# KiCad board pcb-rails.kicad_pcb (continued)
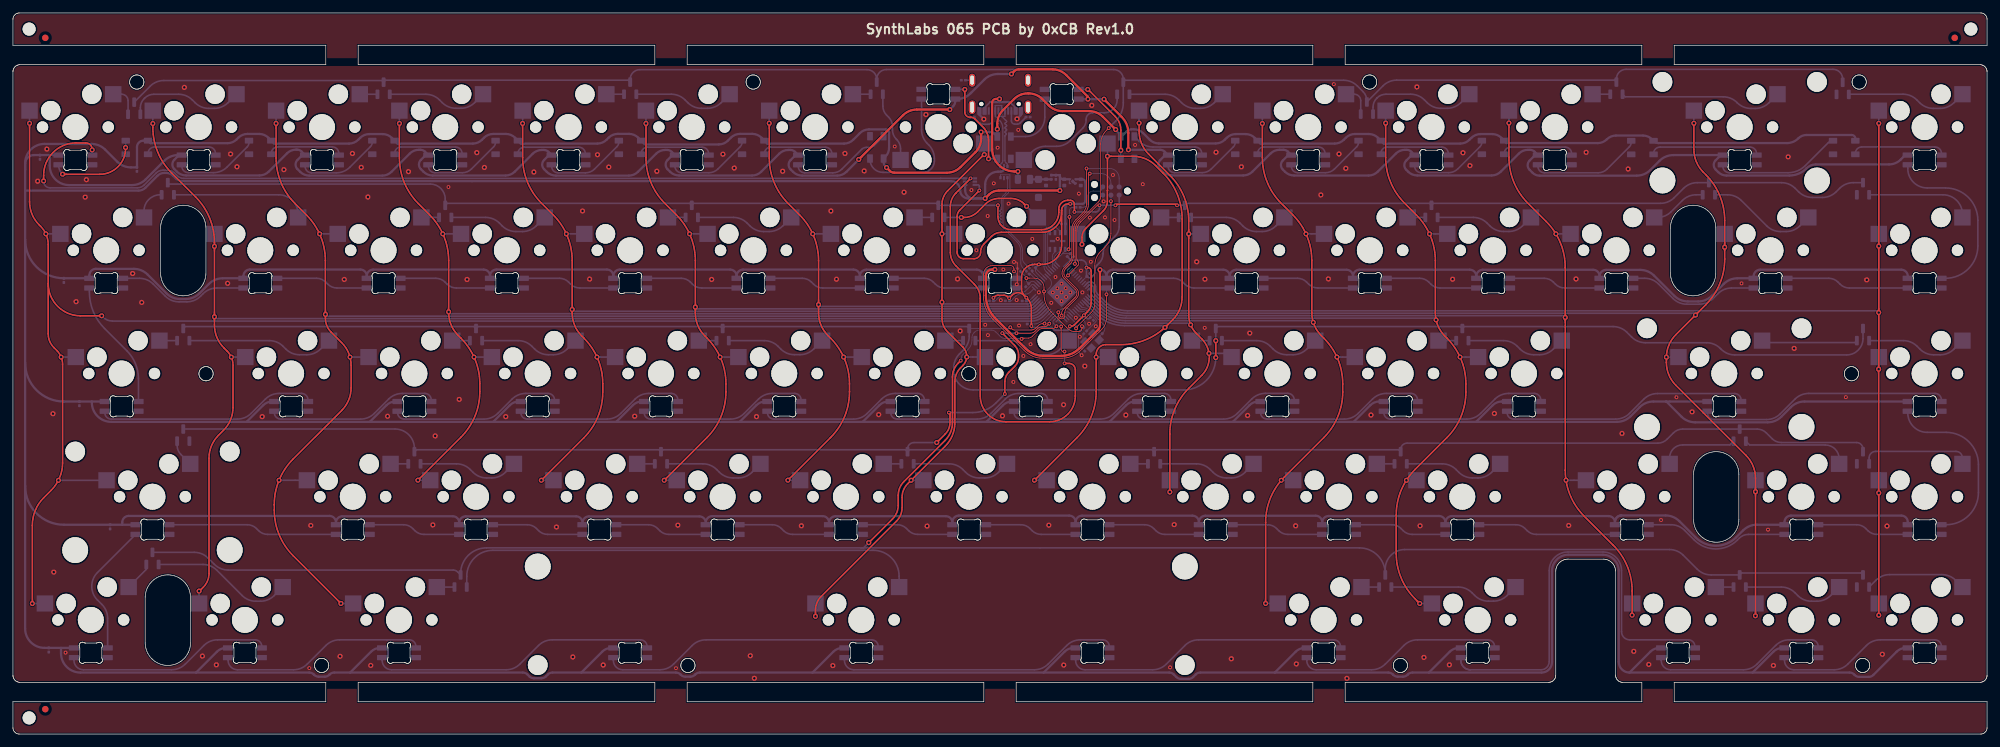
[diagram p0: board, top side]
## Routing (per net, layer and track width the routed paths; a pad name or vN(x,y) marks a point on that pad's centre or on a via; arc(x,y) is an arc through that point) (continued)
Board_0-GND: length 11.6
  Top w0.128: v1(155.12,69.54) 155.2,69.62 155.2,72.79 arc(155.14,72.94) 154.99,73 v1(154.69,73)
  Bottom w0.128: v1(165.14,58.57) 164.91,58.8 arc(164.74,59.05) 164.68,59.35 164.68,61.89 arc(164.71,62.04) 164.8,62.17 C35.2
  Bottom w0.35: v2(150.03,95.07) 149.34,95.76 J2.A1 ; U8.5 164.1,85.12 U8.2 ; J2.A12 155.74,95.7 v2(155.16,95.12)
  vias: v1(8.13,12.6) v1(45.8,10.2) v1(67.3,84.58) v1(102.46,10.19) v1(136.27,90.85) v1(148.11,84.11) v1(148.88,74.81) v1(150.24,63.28) v1(150.63,80.1) v1(150.66,61.68) v1(151.57,85.15) v1(152.16,90.66) v1(152.66,67.09) v1(153.04,71.83) v1(153.85,82.01) v1(154.59,54.44) v1(155.1,67.1) v1(155.35,93.41) v1(155.47,63.17) v1(156.13,58.46) v1(157.25,60.28) v1(157.51,76.55) v1(158.53,68.3) v1(160.45,66.68) v1(160.69,68.29) v1(161.1,70.66) v1(161.33,67.59) v1(161.44,76.57) v1(161.39,68.93) v1(162.04,69.64) v1(162.04,68.29) v1(162.04,66.94) v1(162.68,68.94) v1(162.73,67.58) v1(163.38,68.29) v1(164.25,64.38) v1(164.72,83.56) v1(164.86,61.43) v1(165.04,71.65) v1(165.26,68.29) v1(166.29,63.44) v1(166.41,79.85) v1(166.57,73.02) v1(167.33,63.05) v1(168.55,82.37) v1(168.75,79.89) v1(169.98,86.44) v1(170.23,79.48) v1(173.4,91.09) v1(174.59,85.02) v1(178.81,10.31) v1(184.16,62.81) v1(204.12,100.49) v1(254.67,33.09) v1(257.05,52.08) v1(267.11,69.68) v1(271.2,31.6) v1(283.24,52.09) v2(3.82,85.49) v2(5.25,90.45) v2(6.19,49.54) v2(6.31,25.04) v2(9.76,66.86) v2(11.17,83.02) v2(11.35,85.72) v2(18.5,71.21) v2(19.9,66.74) v2(26.49,99.99) v2(29.28,12.06) v2(31.44,10.7) v2(33.18,69.69) v2(33.64,89.69) v2(34.62,87.72) v2(38.52,49.08) v2(41.87,87.27) v2(46.03,32.25) v2(50.55,12.02) v2(51.2,70.29) v2(52.46,89.77) v2(53.83,87.62) v2(54.85,83.04) v2(55.29,10.61) v2(57.89,49.14) v2(61.12,86.96) v2(64.89,32.34) v2(65.25,46.1) v2(68.96,51.74) v2(70.18,70.29) v2(71.68,89.9) v2(72.85,87.61) v2(76.15,49.08) v2(80.5,86.9) v2(83.98,32.02) v2(86.52,11.92) v2(88.02,80.88) v2(89.11,70.35) v2(90.33,89.58) v2(91.22,10.68) v2(92.07,87.67) v2(96.08,49.14) v2(99.5,87.02) v2(102.74,32.29) v2(107.97,70.29) v2(109.71,89.66) v2(111.47,87.52) v2(113.94,12.11) v2(114.57,8.62) v2(114.9,49.08) v2(118.94,87.02) v2(121.84,32.2) v2(126.4,80.88) v2(126.7,10.59) v2(127.26,70.33) v2(128.57,89.78) v2(131.54,87.07) v2(133.78,49.39) v2(137.7,83.78) v2(141.08,95.79) v2(141.26,32.16) v2(145.97,70.37) v2(146.37,62.33) v2(152.91,49.2) v2(160.07,32.29) v2(162.35,50.92) v2(162.37,10.67) v2(165.63,56.89) v2(166.71,97.21) v2(171.97,49.33) v2(179.44,32.39) v2(182.92,73.02) v2(184.19,70.33) v2(185.91,89.95) v2(188.27,11.64) v2(189.83,87.7) v2(190.79,49.26) v2(191.12,61.99) v2(198.21,32.2) v2(198.32,10.84) v2(202.11,83.36) v2(203.27,70.37) v2(204.91,89.7) v2(205.96,87.47) v2(206.14,8.61) v2(209.85,49.33) v2(216.95,100.06) v2(217.44,32.2) v2(218.03,11.85) v2(221.97,10.7) v2(222.46,70.33) v2(224.07,89.88) v2(225.14,87.89) v2(228.92,49.57) v2(240.4,32.25) v2(241.54,70.37) v2(243.1,89.94) v2(248.64,46.49) v2(249.59,87.37) v2(250.46,12.79) v2(252.78,10.76) v2(259.47,49.82) v2(272.04,10.6) v2(274.32,89.25) v2(275.24,59.63) v2(286.46,70.23) v2(288.87,12.34) v2(289.59,32.16)
Board_0-Net-(C24-Pad2): length 2.4
  Bottom w0.128: 165.35,61.74 165.35,60.95 Y2.1 165.63,60.14 C24.2
Board_0-Net-(D1-DIN): length 14.9
  Top w0.25: v2(17.41,90.69) 17.41,90.55 arc(16.24,87.72) 13.41,86.55 7.69,86.55 v2(7.67,86.57)
  Bottom w0.25: v2(17.41,90.69) 17.41,91.73 D1.2 ; D15.2 7.05,88.02 arc(7.2,87.25) 7.64,86.6 v2(7.67,86.57)
Board_0-Net-(D1-DOUT): length 11.9
  Bottom w0.25: D1.4 20.88,89.77 arc(21.17,90.48) 21.88,90.77 30.3,90.77 arc(31.01,90.48) 31.3,89.77 31.3,89.52
Board_0-Net-(D10-DIN): length 13.5
  Bottom w0.25: D24.2 178.5,87.8 arc(178.79,87.09) 179.5,86.8 183.77,86.8 arc(184.53,86.95) 185.18,87.39 188.58,90.79 arc(188.8,91.11) 188.88,91.49 D10.2
Board_0-Net-(D10-DOUT): length 11.9
  Bottom w0.25: D25.4 202.75,89.77 arc(202.46,90.48) 201.75,90.77 193.33,90.77 arc(192.62,90.48) 192.33,89.77 D10.4
Board_0-Net-(D11-DIN): length 13.5
  Bottom w0.25: D11.2 207.93,91.5 arc(207.85,91.12) 207.63,90.8 204.21,87.38 arc(203.56,86.94) 202.8,86.79 198.55,86.79 arc(197.84,87.08) 197.55,87.79 D25.2
Board_0-Net-(D11-DOUT): length 11.9
  Bottom w0.25: D11.4 211.38,89.76 arc(211.67,90.47) 212.38,90.76 220.8,90.76 arc(221.51,90.47) 221.8,89.76 D26.4
Board_0-Net-(D12-DIN): length 13.5
  Bottom w0.25: D26.2 216.6,87.8 arc(216.89,87.09) 217.6,86.8 221.85,86.8 arc(222.61,86.95) 223.26,87.39 226.69,90.82 arc(226.91,91.14) 226.99,91.52 D12.2
Board_0-Net-(D12-DOUT): length 11.9
  Bottom w0.25: D12.4 230.44,89.76 arc(230.73,90.47) 231.44,90.76 239.85,90.76 arc(240.56,90.47) 240.85,89.76 240.85,89.52
Board_0-Net-(D13-DIN): length 17.5
  Bottom w0.25: D13.2 250.07,91.5 arc(249.99,91.12) 249.77,90.8 246.33,87.35 arc(245.7,86.93) 244.95,86.78 236.65,86.78 arc(235.94,87.07) 235.65,87.78 D27.2
Board_0-Net-(D13-DOUT): length 17.4
  Bottom w0.25: D13.4 253.52,89.76 arc(253.81,90.47) 254.52,90.76 268.42,90.76 arc(269.13,90.47) 269.42,89.76 D28.4
Board_0-Net-(D14-DIN): length 19.7
  Bottom w0.25: D14.2 281.23,91.74 arc(280.84,91.66) 280.52,91.45 276.98,87.9 arc(275.74,87.08) 274.29,86.79 265.22,86.79 arc(264.52,87.08) 264.22,87.79 D28.2
Board_0-Net-(D14-DOUT): length 14.8
  Bottom w0.25: D29.4 298,89.78 arc(297.71,90.49) 297,90.78 285.7,90.78 arc(284.99,90.49) 284.7,89.78 D14.4
Board_0-Net-(D16-DOUT): length 13.5
  Bottom w0.25: D2.2 36.48,91.47 arc(36.4,91.09) 36.18,90.77 33.1,87.68 arc(32.12,87.03) 30.97,86.8 27.1,86.8 arc(26.39,87.09) 26.1,87.8 D16.2
Board_0-Net-(D17-DIN): length 12
  Bottom w0.25: D17.4 50.35,89.79 arc(50.06,90.5) 49.35,90.79 40.93,90.79 arc(40.22,90.5) 39.93,89.79 D2.4
Board_0-Net-(D17-DOUT): length 13.5
  Bottom w0.25: D17.2 45.15,87.77 arc(45.44,87.06) 46.15,86.77 49.95,86.77 arc(51.09,87) 52.07,87.65 55.23,90.82 arc(55.45,91.14) 55.53,91.52 D3.2
Board_0-Net-(D18-DIN): length 11.9
  Bottom w0.25: D18.4 69.4,89.77 arc(69.11,90.48) 68.4,90.77 59.98,90.77 arc(59.27,90.48) 58.98,89.77 D3.4
Board_0-Net-(D18-DOUT): length 13.5
  Bottom w0.25: D18.2 64.2,87.79 arc(64.49,87.08) 65.2,86.79 69.44,86.79 arc(70.2,86.94) 70.85,87.38 74.28,90.81 arc(74.5,91.13) 74.58,91.51 D4.2
Board_0-Net-(D19-DIN): length 11.9
  Bottom w0.25: D19.4 88.45,89.74 arc(88.16,90.45) 87.45,90.74 79.03,90.74 arc(78.32,90.45) 78.03,89.74 D4.4
Board_0-Net-(D19-DOUT): length 13.5
  Bottom w0.25: D5.2 93.63,91.53 arc(93.55,91.15) 93.33,90.83 89.86,87.36 arc(89.22,86.92) 88.45,86.77 84.25,86.77 arc(83.54,87.06) 83.25,87.77 D19.2
Board_0-Net-(D20-DIN): length 11.9
  Bottom w0.25: D5.4 97.08,89.74 arc(97.37,90.45) 98.08,90.74 106.5,90.74 arc(107.21,90.45) 107.5,89.74 D20.4
Board_0-Net-(D20-DOUT): length 13.5
  Bottom w0.25: D6.2 112.67,91.51 arc(112.59,91.13) 112.37,90.81 108.94,87.38 arc(108.29,86.94) 107.53,86.79 103.3,86.79 arc(102.59,87.08) 102.3,87.79 D20.2
Board_0-Net-(D21-DIN): length 11.9
  Bottom w0.25: D6.4 116.12,89.74 arc(116.41,90.45) 117.12,90.74 125.55,90.74 arc(126.26,90.45) 126.55,89.74 D21.4
Board_0-Net-(D21-DOUT): length 16.2
  Bottom w0.25: 121.35,88.02 121.35,87.77 arc(121.64,87.06) 122.35,86.77 126.68,86.77 arc(127.45,86.92) 128.09,87.36 131.15,90.42 arc(131.48,90.63) 131.86,90.71 132.39,90.71 arc(132.78,90.79) 133.1,91 D7.2
Board_0-Net-(D22-DIN): length 22.4
  Bottom w0.25: D7.4 132.44,88.85 arc(133.02,87.43) 134.44,86.85 140.62,86.85 arc(141.87,87.36) 142.38,88.61 142.38,88.98 arc(142.16,90.13) 141.51,91.1 141.28,91.33 arc(140.63,92.3) 140.4,93.45 D22.4
Board_0-Net-(D22-DOUT): length 15.3
  Top w0.25: v2(147.09,99.67) 147.09,96.18 arc(147.33,95.6) 147.9,95.36 148.03,95.36 arc(148.38,95.29) 148.67,95.09 149.98,93.78 150.2,93.51 150.38,93.23 150.52,92.92 150.64,92.6 150.71,92.27 150.75,91.93 150.75,91.76 v2(150.75,88.94)
  Bottom w0.25: D22.2 147.08,99.68 v2(147.09,99.67) ; D8.2 150.76,88.94 v2(150.75,88.94)
Board_0-Net-(D23-DIN): length 9.8
  Bottom w0.25: D23.4 159.45,95.39 arc(158.57,93.27) 156.45,92.39 D8.4
Board_0-Net-(D23-DOUT): length 14.2
  Top w0.25: v2(171.2,90.25) 171.2,93.37 arc(170.97,94.52) 170.32,95.49 166.14,99.67 v2(166.08,99.67)
  Bottom w0.25: v2(166.08,99.67) 164.66,99.67 D23.2 ; D9.2 v2(171.2,90.25)
Board_0-Net-(D24-DIN): length 11.8
  Bottom w0.25: 183.7,89.52 183.7,89.77 arc(183.41,90.48) 182.7,90.77 176.17,90.77 arc(175.02,91) 174.05,91.65 D9.4
Board_0-Net-(D29-DOUT): length 28.4
  Bottom w0.25: D44.4 298.63,70.47 arc(302.16,71.93) 303.63,75.47 303.63,79.44 arc(302.16,82.98) 298.63,84.44 295.8,84.44 arc(293.68,85.32) 292.8,87.44 D29.2
Board_0-Net-(D30-DIN): length 20.5
  Bottom w0.25: D31.2 31.5,68.97 arc(30.36,68.74) 29.38,68.09 29,67.71 arc(28.03,67.06) 26.88,66.83 25.67,66.83 arc(24.52,67.06) 23.54,67.71 21.66,69.59 arc(20.69,70.24) 19.54,70.47 D30.4
Board_0-Net-(D30-DOUT): length 20.1
  Bottom w0.25: D45.4 19.39,54.93 arc(18.93,57.28) 17.6,59.27 14.16,62.71 arc(12.42,65.31) 11.81,68.37 D30.2
Board_0-Net-(D31-DIN): length 14.3
  Bottom w0.25: D32.2 50.08,68.97 arc(49.31,69.12) 48.66,69.56 48.33,69.88 arc(47.68,70.32) 46.92,70.47 D31.4
Board_0-Net-(D32-DIN): length 14.3
  Bottom w0.25: D33.2 68.51,68.97 arc(67.74,69.12) 67.09,69.56 66.76,69.88 arc(66.11,70.32) 65.35,70.47 D32.4
Board_0-Net-(D33-DIN): length 14.3
  Bottom w0.25: D34.2 87.61,68.97 arc(86.84,69.12) 86.19,69.56 85.86,69.88 arc(85.21,70.32) 84.45,70.47 D33.4
Board_0-Net-(D34-DIN): length 14.3
  Bottom w0.25: D34.4 103.27,70.47 arc(104.03,70.32) 104.68,69.88 105.01,69.56 arc(105.66,69.12) 106.43,68.97 D35.2
Board_0-Net-(D35-DIN): length 14.3
  Bottom w0.25: D35.4 121.98,70.47 arc(122.74,70.32) 123.39,69.88 123.72,69.56 arc(124.37,69.12) 125.14,68.97 D36.2
Board_0-Net-(D36-DIN): length 14.3
  Bottom w0.25: D36.4 140.81,70.47 arc(141.57,70.32) 142.22,69.88 142.55,69.56 arc(143.2,69.12) 143.97,68.97 D37.2
Board_0-Net-(D37-DIN): length 42.1
  Top w0.128: v1(168.98,67.99) 168.98,64.34 arc(168.79,63.38) 168.24,62.56 164.96,59.29 arc(163.66,58.42) 162.13,58.11 159.11,58.11 arc(157.58,58.42) 156.28,59.29 151.44,64.13 arc(150.35,65.75) 149.97,67.67 149.97,71.04 arc(150.38,72.03) 151.37,72.44 154.19,72.44 arc(154.54,72.29) 154.69,71.94 v1(154.69,71.54)
  Bottom w0.128: D37.4 155.12,70.94 arc(155.09,71.09) 155.01,71.22 v1(154.69,71.54) ; v1(168.98,67.99) 168.97,67.99 D38.2
Board_0-Net-(D38-DIN): length 14.3
  Bottom w0.25: D39.2 182.51,68.97 arc(181.74,69.12) 181.09,69.56 180.76,69.88 arc(180.11,70.32) 179.35,70.47 D38.4
Board_0-Net-(D39-DIN): length 14.3
  Bottom w0.25: D40.2 201.65,68.97 arc(200.88,69.12) 200.23,69.56 199.9,69.88 arc(199.25,70.32) 198.49,70.47 D39.4
Board_0-Net-(D40-DIN): length 14.3
  Bottom w0.25: D41.2 220.53,68.97 arc(219.76,69.12) 219.11,69.56 218.78,69.88 arc(218.13,70.32) 217.37,70.47 D40.4
Board_0-Net-(D41-DIN): length 14.3
  Bottom w0.25: D41.4 236.62,70.47 arc(237.38,70.32) 238.03,69.88 238.36,69.56 arc(239.01,69.12) 239.78,68.97 D42.2
Board_0-Net-(D42-DIN): length 20.8
  Bottom w0.25: D42.4 252.16,70.47 arc(253.31,70.24) 254.28,69.59 256.53,67.34 arc(257.5,66.69) 258.65,66.46 260.58,66.46 arc(261.73,66.69) 262.7,67.34 263.45,68.09 arc(264.43,68.74) 265.57,68.97 D43.2
Board_0-Net-(D43-DIN): length 19.1
  Bottom w0.25: D44.2 283.76,68.97 arc(282.99,69.12) 282.34,69.56 282.01,69.88 arc(281.36,70.32) 280.6,70.47 D43.4
Board_0-Net-(D45-DOUT): length 34.4
  Bottom w0.25: D46.4 45.59,51.67 arc(45.29,52.38) 44.59,52.67 41.14,52.67 arc(39.99,52.44) 39.01,51.79 36.8,49.58 arc(35.83,48.93) 34.68,48.7 15.19,48.7 arc(14.49,48.99) 14.19,49.7 D45.2
Board_0-Net-(D46-DOUT): length 27.2
  Bottom w0.25: D47.4 64.64,51.67 arc(64.34,52.38) 63.64,52.67 60.17,52.67 arc(59.03,52.44) 58.05,51.79 55.84,49.58 arc(54.87,48.93) 53.72,48.7 41.39,48.7 arc(40.68,48.99) 40.39,49.7 D46.2
Board_0-Net-(D47-DOUT): length 27.2
  Bottom w0.25: D48.4 83.69,51.67 arc(83.39,52.38) 82.69,52.67 79.24,52.67 arc(78.1,52.44) 77.12,51.79 74.91,49.58 arc(73.94,48.93) 72.79,48.7 60.44,48.7 arc(59.73,48.99) 59.44,49.7 D47.2
Board_0-Net-(D48-DOUT): length 27.2
  Bottom w0.25: D49.4 102.74,51.67 arc(102.44,52.38) 101.74,52.67 98.25,52.67 arc(97.11,52.44) 96.13,51.79 93.92,49.58 arc(92.95,48.93) 91.8,48.7 79.49,48.7 arc(78.78,48.99) 78.49,49.7 D48.2
Board_0-Net-(D49-DOUT): length 27.2
  Bottom w0.25: D50.4 121.79,51.67 arc(121.49,52.38) 120.79,52.67 117.33,52.67 arc(116.19,52.44) 115.21,51.79 113,49.58 arc(112.03,48.93) 110.88,48.7 98.54,48.7 arc(97.83,48.99) 97.54,49.7 D49.2
Board_0-Net-(D50-DOUT): length 27.2
  Bottom w0.25: D50.2 116.59,49.7 arc(116.88,48.99) 117.59,48.7 129.89,48.7 arc(131.04,48.93) 132.01,49.58 134.22,51.79 arc(135.2,52.44) 136.34,52.67 139.84,52.67 arc(140.54,52.38) 140.84,51.67 D51.4
Board_0-Net-(D51-DOUT): length 27.2
  Bottom w0.25: D51.2 135.64,49.7 arc(135.93,48.99) 136.64,48.7 149,48.7 arc(150.15,48.93) 151.12,49.58 153.33,51.79 arc(154.31,52.44) 155.45,52.67 158.89,52.67 arc(159.59,52.38) 159.89,51.67 D52.4
Board_0-Net-(D52-DOUT): length 27.2
  Bottom w0.25: D53.4 178.94,51.67 arc(178.64,52.38) 177.94,52.67 174.47,52.67 arc(173.33,52.44) 172.35,51.79 170.14,49.58 arc(169.17,48.93) 168.02,48.7 155.69,48.7 arc(154.98,48.99) 154.69,49.7 D52.2
Board_0-Net-(D53-DOUT): length 27.3
  Bottom w0.25: D54.4 197.99,51.68 arc(197.69,52.39) 196.99,52.68 193.55,52.68 arc(192.4,52.45) 191.42,51.8 189.2,49.58 arc(188.23,48.93) 187.08,48.7 174.74,48.7 arc(174.03,48.99) 173.74,49.7 D53.2
Board_0-Net-(D54-DOUT): length 27.2
  Bottom w0.25: D54.2 192.79,49.7 arc(193.08,48.99) 193.79,48.7 205.75,48.7 arc(206.9,48.93) 207.87,49.58 210.08,51.79 arc(211.06,52.44) 212.2,52.67 216.04,52.67 arc(216.74,52.38) 217.04,51.67 D55.4
Board_0-Net-(D55-DOUT): length 27.2
  Bottom w0.25: D56.4 236.09,51.67 arc(235.79,52.38) 235.09,52.67 231.12,52.67 arc(229.98,52.44) 229,51.79 226.79,49.58 arc(225.82,48.93) 224.67,48.7 212.84,48.7 arc(212.13,48.99) 211.84,49.7 D55.2
Board_0-Net-(D56-DOUT): length 39.1
  Bottom w0.25: D56.2 230.89,49.7 arc(231.18,48.99) 231.89,48.7 247.68,48.7 arc(248.83,48.93) 249.8,49.58 251.99,51.77 arc(252.97,52.42) 254.12,52.65 266.04,52.65 arc(266.75,52.36) 267.04,51.65 D57.4
Board_0-Net-(D57-DOUT): length 39.3
  Bottom w0.25: D58.4 298,51.67 arc(297.71,52.38) 297,52.67 277.49,52.67 arc(276.35,52.44) 275.37,51.79 273.09,49.51 arc(272.12,48.86) 270.97,48.63 262.84,48.63 arc(262.14,48.92) 261.84,49.63 D57.2
Board_0-Net-(D58-DOUT): length 28.6
  Bottom w0.25: D72.4 298.72,32.37 arc(302.25,33.83) 303.72,37.37 303.72,41.65 arc(302.25,45.19) 298.72,46.65 295.8,46.65 arc(293.68,47.53) 292.8,49.65 D58.2
Board_0-Net-(D59-DIN): length 26.2
  Bottom w0.25: D59.4 36.21,32.37 arc(36.97,32.22) 37.62,31.78 37.95,31.46 arc(38.6,31.02) 39.37,30.87 D60.2
Board_0-Net-(D59-DOUT): length 21
  Bottom w0.25: D59.2 13.06,24.97 arc(12.18,22.85) 13.06,20.73 13.75,20.03 arc(14.4,19.06) 14.63,17.91 D73.4
Board_0-Net-(D60-DIN): length 14.3
  Bottom w0.25: D61.2 63.52,30.87 arc(62.75,31.02) 62.1,31.46 61.77,31.78 arc(61.12,32.22) 60.36,32.37 D60.4
Board_0-Net-(D61-DIN): length 14.3
  Bottom w0.25: D62.2 82.64,30.87 arc(81.87,31.02) 81.22,31.46 80.89,31.78 arc(80.24,32.22) 79.48,32.37 D61.4
Board_0-Net-(D62-DIN): length 14.3
  Bottom w0.25: D63.2 101.36,30.87 arc(100.59,31.02) 99.94,31.46 99.61,31.78 arc(98.96,32.22) 98.2,32.37 D62.4
Board_0-Net-(D63-DIN): length 14.3
  Bottom w0.25: D63.4 117.33,32.37 arc(118.09,32.22) 118.74,31.78 119.07,31.46 arc(119.72,31.02) 120.49,30.87 D64.2
Board_0-Net-(D64-DIN): length 14.3
  Bottom w0.25: D65.2 139.82,30.87 arc(139.05,31.02) 138.4,31.46 138.07,31.78 arc(137.42,32.22) 136.66,32.37 D64.4
Board_0-Net-(D65-DIN): length 14.3
  Bottom w0.25: D65.4 155.74,32.37 arc(156.5,32.22) 157.15,31.78 157.48,31.46 arc(158.13,31.02) 158.9,30.87 D66.2
Board_0-Net-(D66-DIN): length 14.3
  Bottom w0.25: D66.4 174.86,32.37 arc(175.62,32.22) 176.27,31.78 176.6,31.46 arc(177.25,31.02) 178.02,30.87 D67.2
Board_0-Net-(D67-DIN): length 14.3
  Bottom w0.25: D68.2 197.01,30.87 arc(196.24,31.02) 195.59,31.46 195.26,31.78 arc(194.61,32.22) 193.85,32.37 D67.4
Board_0-Net-(D68-DIN): length 14.3
  Bottom w0.25: D69.2 216.23,30.87 arc(215.46,31.02) 214.81,31.46 214.48,31.78 arc(213.83,32.22) 213.07,32.37 D68.4
Board_0-Net-(D69-DIN): length 21.4
  Bottom w0.25: D69.4 232.24,32.37 arc(233,32.22) 233.65,31.78 233.98,31.46 arc(234.63,31.02) 235.4,30.87 D70.2
Board_0-Net-(D70-DIN): length 22.9
  Bottom w0.25: D70.4 256.2,32.37 arc(257.35,32.14) 258.32,31.49 259.81,30.01 arc(263.14,28.63) 266.47,30.01 266.75,30.28 arc(267.4,30.72) 268.17,30.87 D71.2
Board_0-Net-(D71-DIN): length 14.3
  Bottom w0.25: D72.2 288.05,30.87 arc(287.28,31.02) 286.63,31.46 286.3,31.78 arc(285.65,32.22) 284.89,32.37 D71.4
Board_0-Net-(D73-DOUT): length 32.8
  Bottom w0.25: D73.2 9.43,11.39 arc(9.86,10.37) 10.88,9.94 24.5,9.94 arc(25.65,10.17) 26.63,10.82 29.5,13.69 arc(30.47,14.34) 31.62,14.57 37.45,14.57 arc(38.15,14.28) 38.45,13.57 38.45,13.32
Board_0-Net-(D74-DOUT): length 32.7
  Bottom w0.25: D75.4 62.26,13.57 arc(61.96,14.28) 61.26,14.57 57.81,14.57 50.47,14.57 arc(49.32,14.34) 48.35,13.69 45.48,10.82 arc(44.5,10.17) 43.35,9.94 34.7,9.94 arc(33.67,10.37) 33.25,11.39 33.25,11.82
Board_0-Net-(D75-DOUT): length 44.7
  Bottom w0.25: D75.2 57.06,11.39 arc(57.48,10.37) 58.51,9.94 76.21,9.94 arc(77.36,10.17) 78.34,10.82 81.21,13.69 arc(82.18,14.34) 83.33,14.57 96.98,14.57 arc(97.68,14.28) 97.98,13.57 97.98,13.32
Board_0-Net-(D76-DOUT): length 44.7
  Bottom w0.25: 92.78,11.82 92.78,11.39 arc(93.2,10.37) 94.23,9.94 99.96,9.94 arc(101.11,10.17) 102.09,10.82 104.96,13.69 arc(105.93,14.34) 107.08,14.57 132.7,14.57 arc(133.4,14.28) 133.7,13.57 133.7,13.32
Board_0-Net-(D77-DOUT): length 44.7
  Bottom w0.25: 128.49,11.82 128.49,11.39 arc(128.91,10.37) 129.94,9.94 157.84,9.94 arc(158.99,10.17) 159.96,10.82 162.84,13.69 arc(163.81,14.34) 164.96,14.57 ; 164.96,14.57 168.41,14.57 arc(169.11,14.28) 169.41,13.57 169.41,13.32
Board_0-Net-(D78-DOUT): length 44.7
  Bottom w0.25: 205.13,13.32 205.13,13.57 arc(204.83,14.28) 204.13,14.57 183.22,14.57 arc(182.07,14.34) 181.1,13.69 178.23,10.82 arc(177.25,10.17) 176.1,9.94 165.66,9.94 arc(164.63,10.37) 164.21,11.39 164.21,11.82
Board_0-Net-(D79-DOUT): length 32.7
  Bottom w0.25: 228.94,13.32 228.94,13.57 arc(228.64,14.28) 227.94,14.57 217.05,14.57 arc(215.9,14.34) 214.93,13.69 212.06,10.82 arc(211.08,10.17) 209.93,9.94 201.38,9.94 arc(200.35,10.37) 199.93,11.39 199.93,11.82
Board_0-Net-(D80-DOUT): length 66.5
  Bottom w0.25: 223.74,11.82 223.74,11.4 arc(223.74,11.39) 223.74,11.39 223.74,11.35 arc(223.74,11.28) 223.75,11.21 223.76,11.13 arc(223.78,11.05) 223.8,10.98 223.82,10.91 arc(223.85,10.84) 223.88,10.77 223.91,10.7 arc(223.95,10.63) 224,10.57 224.04,10.51 arc(224.09,10.45) 224.14,10.39 224.19,10.34 arc(224.25,10.29) 224.31,10.24 224.37,10.2 arc(224.43,10.15) 224.5,10.12 224.56,10.08 arc(224.63,10.05) 224.71,10.02 224.78,10 arc(224.85,9.98) 224.93,9.97 225.01,9.95 arc(225.08,9.94) 225.15,9.94 225.18,9.94 arc(225.19,9.94) 225.2,9.94 236.12,9.94 arc(237.02,10.31) 237.39,11.2 237.39,25.26 arc(238.24,27.31) 240.28,28.15 245.68,28.15 arc(247.72,27.31) 248.56,25.27 248.56,15.84 arc(248.94,14.94) 249.83,14.57 258.9,14.57 arc(259.6,14.28) 259.9,13.57 259.9,13.32
Board_0-Net-(D81-DOUT): length 28
  Bottom w0.25: 278.95,13.32 278.95,13.57 arc(278.65,14.28) 277.95,14.57 274.5,14.57 ; 254.7,11.82 254.7,11.39 arc(255.12,10.37) 256.15,9.94 267.38,9.94 arc(268.53,10.17) 269.5,10.82 272.38,13.69 arc(273.35,14.34) 274.5,14.57
Board_0-Net-(D82-DOUT): length 28
  Bottom w0.25: 298,13.32 298,13.57 arc(297.7,14.28) 297,14.57 288.53,14.57 arc(287.38,14.34) 286.41,13.69 283.54,10.82 arc(282.56,10.17) 281.41,9.94 275.2,9.94 arc(274.17,10.37) 273.75,11.39 273.75,11.82
Board_0-Net-(D84-A1): length 18.5
  Bottom w0.25: D84.1 19.69,96.84 arc(19.84,97.61) 20.27,98.26 20.35,98.34 arc(21,98.77) 21.77,98.92 25.6,98.92 arc(26.75,98.69) 27.72,98.04 28.15,97.62 arc(29.12,96.97) 30.27,96.74 31.11,96.74 arc(32.26,96.97) 33.23,97.62 MX2.2
Board_0-Net-(D84-A2): length 5
  Bottom w0.25: D84.2 17.79,97.93 arc(17.49,98.64) 16.79,98.93 MX1.2
Board_0-Net-(D85-A1): length 15.8
  Bottom w0.25: D85.1 63.8,98.92 arc(64.95,98.69) 65.92,98.04 66.33,97.64 arc(67.3,96.99) 68.45,96.76 69.23,96.76 arc(70.38,96.99) 71.35,97.64 72.64,98.93
Board_0-Net-(D85-A2): length 2.7
  Bottom w0.25: D85.2 53.6,98.92 MX3.2
Board_0-Net-(D86-A1): length 15.8
  Bottom w0.25: MX6.2 109.44,97.63 arc(108.47,96.98) 107.32,96.75 106.4,96.75 arc(105.25,96.98) 104.28,97.63 103.85,98.05 arc(102.88,98.7) 101.73,98.93 D86.1
Board_0-Net-(D86-A2): length 2.7
  Bottom w0.25: MX5.2 91.69,98.93 D86.2
Board_0-Net-(D87-A1): length 10.9
  Bottom w0.25: D87.1 134.43,97.1 arc(134.58,96.33) 135.01,95.68 135.32,95.38 arc(135.75,94.73) 135.91,93.96 135.91,93.41 arc(136.06,92.64) 136.49,91.99 136.57,91.92 arc(137.01,91.27) 137.16,90.5 MX8.2
Board_0-Net-(D87-A2): length 2.7
  Bottom w0.25: D87.2 129.79,98.93 MX7.2
Board_0-Net-(D88-A1): length 15.8
  Bottom w0.25: MX10.2 185.64,97.63 arc(184.67,96.98) 183.52,96.75 182.69,96.75 arc(181.54,96.98) 180.57,97.63 180.15,98.04 arc(179.18,98.69) 178.03,98.92 D88.1
Board_0-Net-(D88-A2): length 19.8
  Bottom w0.25: D88.2 170.63,98.06 arc(170.04,96.65) 168.63,96.06 166.83,96.06 arc(166.12,95.77) 165.83,95.06 165.83,94.92 arc(165.7,94.26) 165.32,93.69 163.38,91.75 arc(162.41,91.1) 161.26,90.87 159.55,90.87 arc(158.41,90.65) 157.43,90 MX9.2
Board_0-Net-(D89-A1): length 18.5
  Bottom w0.25: MX12.2 223.74,97.63 arc(222.77,96.98) 221.62,96.75 220.65,96.75 arc(219.5,96.98) 218.53,97.63 218.1,98.05 arc(217.13,98.7) 215.98,98.93 212.18,98.93 arc(211.41,98.78) 210.76,98.35 210.75,98.34 arc(210.32,97.69) 210.17,96.92 D89.1
Board_0-Net-(D89-A2): length 4.9
  Bottom w0.25: MX11.2 207.27,98.93 arc(207.97,98.64) 208.27,97.93 D89.2
Board_0-Net-(D90-A1): length 25.4
  Bottom w0.25: MX14.2 271.35,97.61 arc(270.37,96.96) 269.22,96.73 268.57,96.73 arc(267.42,96.96) 266.45,97.61 266.41,97.65 arc(265.43,98.3) 264.28,98.53 249.13,98.53 D90.1
Board_0-Net-(D90-A2): length 2.7
  Bottom w0.25: MX13.2 244.09,98.93 D90.2
Board_0-Net-(D91-A1): length 19
  Bottom w0.25: D91.1 283.72,98.93 292.07,98.93 arc(293.22,98.7) 294.19,98.05 294.63,97.62 arc(295.6,96.97) 296.75,96.74 297.81,96.74 arc(298.96,96.97) 299.93,97.62 MX15.2
Board_0-Net-(D92-A1): length 21.4
  Bottom w0.25: D92.1 41.07,83.38 arc(43.19,82.5) 44.07,80.38 MX17.2
Board_0-Net-(D92-A2): length 5.2
  Bottom w0.25: MX16.2 20.25,80.88 arc(20.99,82.65) 22.75,83.38 D92.2
Board_0-Net-(D93-A1): length 15.8
  Bottom w0.25: MX19.2 80.87,78.58 arc(79.89,77.93) 78.74,77.7 77.72,77.7 arc(76.57,77.93) 75.6,78.58 75.17,79 arc(74.2,79.65) 73.05,79.88 D93.1
Board_0-Net-(D93-A2): length 2.7
  Bottom w0.25: MX18.2 63.12,79.88 D93.2
Board_0-Net-(D94-A1): length 15.8
  Bottom w0.25: D94.1 111.33,79.88 arc(112.48,79.65) 113.45,79 113.88,78.58 arc(114.85,77.93) 116,77.7 116.84,77.7 arc(117.99,77.93) 118.97,78.58 MX21.2
Board_0-Net-(D94-A2): length 2.7
  Bottom w0.25: MX20.2 101.22,79.88 D94.2
Board_0-Net-(D95-A1): length 16.5
  Top w0.25: v2(156.64,81.6) 156.31,81.93 156.31,81.94 arc(155.33,82.59) 154.18,82.82 152.39,82.82 arc(151.24,82.59) 150.27,81.94 149.09,80.76 arc(148.11,80.11) 146.97,79.88 146.55,79.88 v2(146.55,79.88)
  Bottom w0.25: D95.1 143.95,79.88 v2(146.55,79.88) ; MX23.2 156.65,81.6 v2(156.64,81.6)
Board_0-Net-(D95-A2): length 2.7
  Bottom w0.25: D95.2 139.32,79.88 MX22.2
Board_0-Net-(D96-A1): length 15.8
  Bottom w0.25: D96.1 187.49,79.88 arc(188.64,79.65) 189.61,79 190.04,78.58 arc(191.01,77.93) 192.16,77.7 193.04,77.7 arc(194.19,77.93) 195.17,78.58 MX25.2
Board_0-Net-(D96-A2): length 2.7
  Bottom w0.25: MX24.2 180.14,79.88 D96.2
Board_0-Net-(D97-A1): length 15.8
  Bottom w0.25: D97.1 225.67,79.88 arc(226.82,79.65) 227.79,79 228.21,78.59 arc(229.18,77.94) 230.33,77.71 231.15,77.71 arc(232.3,77.94) 233.28,78.59 MX27.2
Board_0-Net-(D97-A2): length 2.7
  Bottom w0.25: MX26.2 218.24,79.88 D97.2
Board_0-Net-(D98-A1): length 17.3
  Bottom w0.25: D98.1 263.01,83.38 264.95,83.38 arc(266.1,83.15) 267.08,82.5 271,78.58 arc(271.97,77.93) 273.12,77.7 274.01,77.7 arc(275.15,77.93) 276.13,78.58 MX29.2
Board_0-Net-(D98-A2): length 8.7
  Bottom w0.25: D98.2 260.09,83.38 arc(258.94,83.15) 257.97,82.5 256.23,80.76 arc(255.25,80.11) 254.1,79.88 MX28.2
Board_0-Net-(D99-A1): length 16.6
  Bottom w0.25: MX30.2 301.24,80.38 arc(300.36,82.5) 298.24,83.38 D99.1
Board_0-Net-(D100-A1): length 23
  Bottom w0.25: D100.1 39.62,60.83 arc(40.77,60.6) 41.74,59.95 42.17,59.53 arc(43.14,58.88) 44.29,58.65 45.41,58.65 arc(46.55,58.88) 47.53,59.53 MX32.2
Board_0-Net-(D100-A2): length 2.7
  Bottom w0.25: D100.2 22.64,60.83 MX31.2
Board_0-Net-(D101-A1): length 15.8
  Bottom w0.25: D101.1 78.07,60.83 arc(79.22,60.6) 80.19,59.95 80.62,59.53 arc(81.59,58.88) 82.74,58.65 83.51,58.65 arc(84.65,58.88) 85.63,59.53 MX34.2
Board_0-Net-(D101-A2): length 2.7
  Bottom w0.25: D101.2 67.88,60.83 MX33.2
Board_0-Net-(D102-A1): length 15.8
  Bottom w0.25: MX36.2 123.74,59.54 arc(122.76,58.89) 121.62,58.66 120.76,58.66 arc(119.61,58.89) 118.64,59.54 118.22,59.95 arc(117.25,60.6) 116.1,60.83 D102.1